# Altium PCB Shuttler_AFE.PcbDoc (part 4 of 5) (continued)
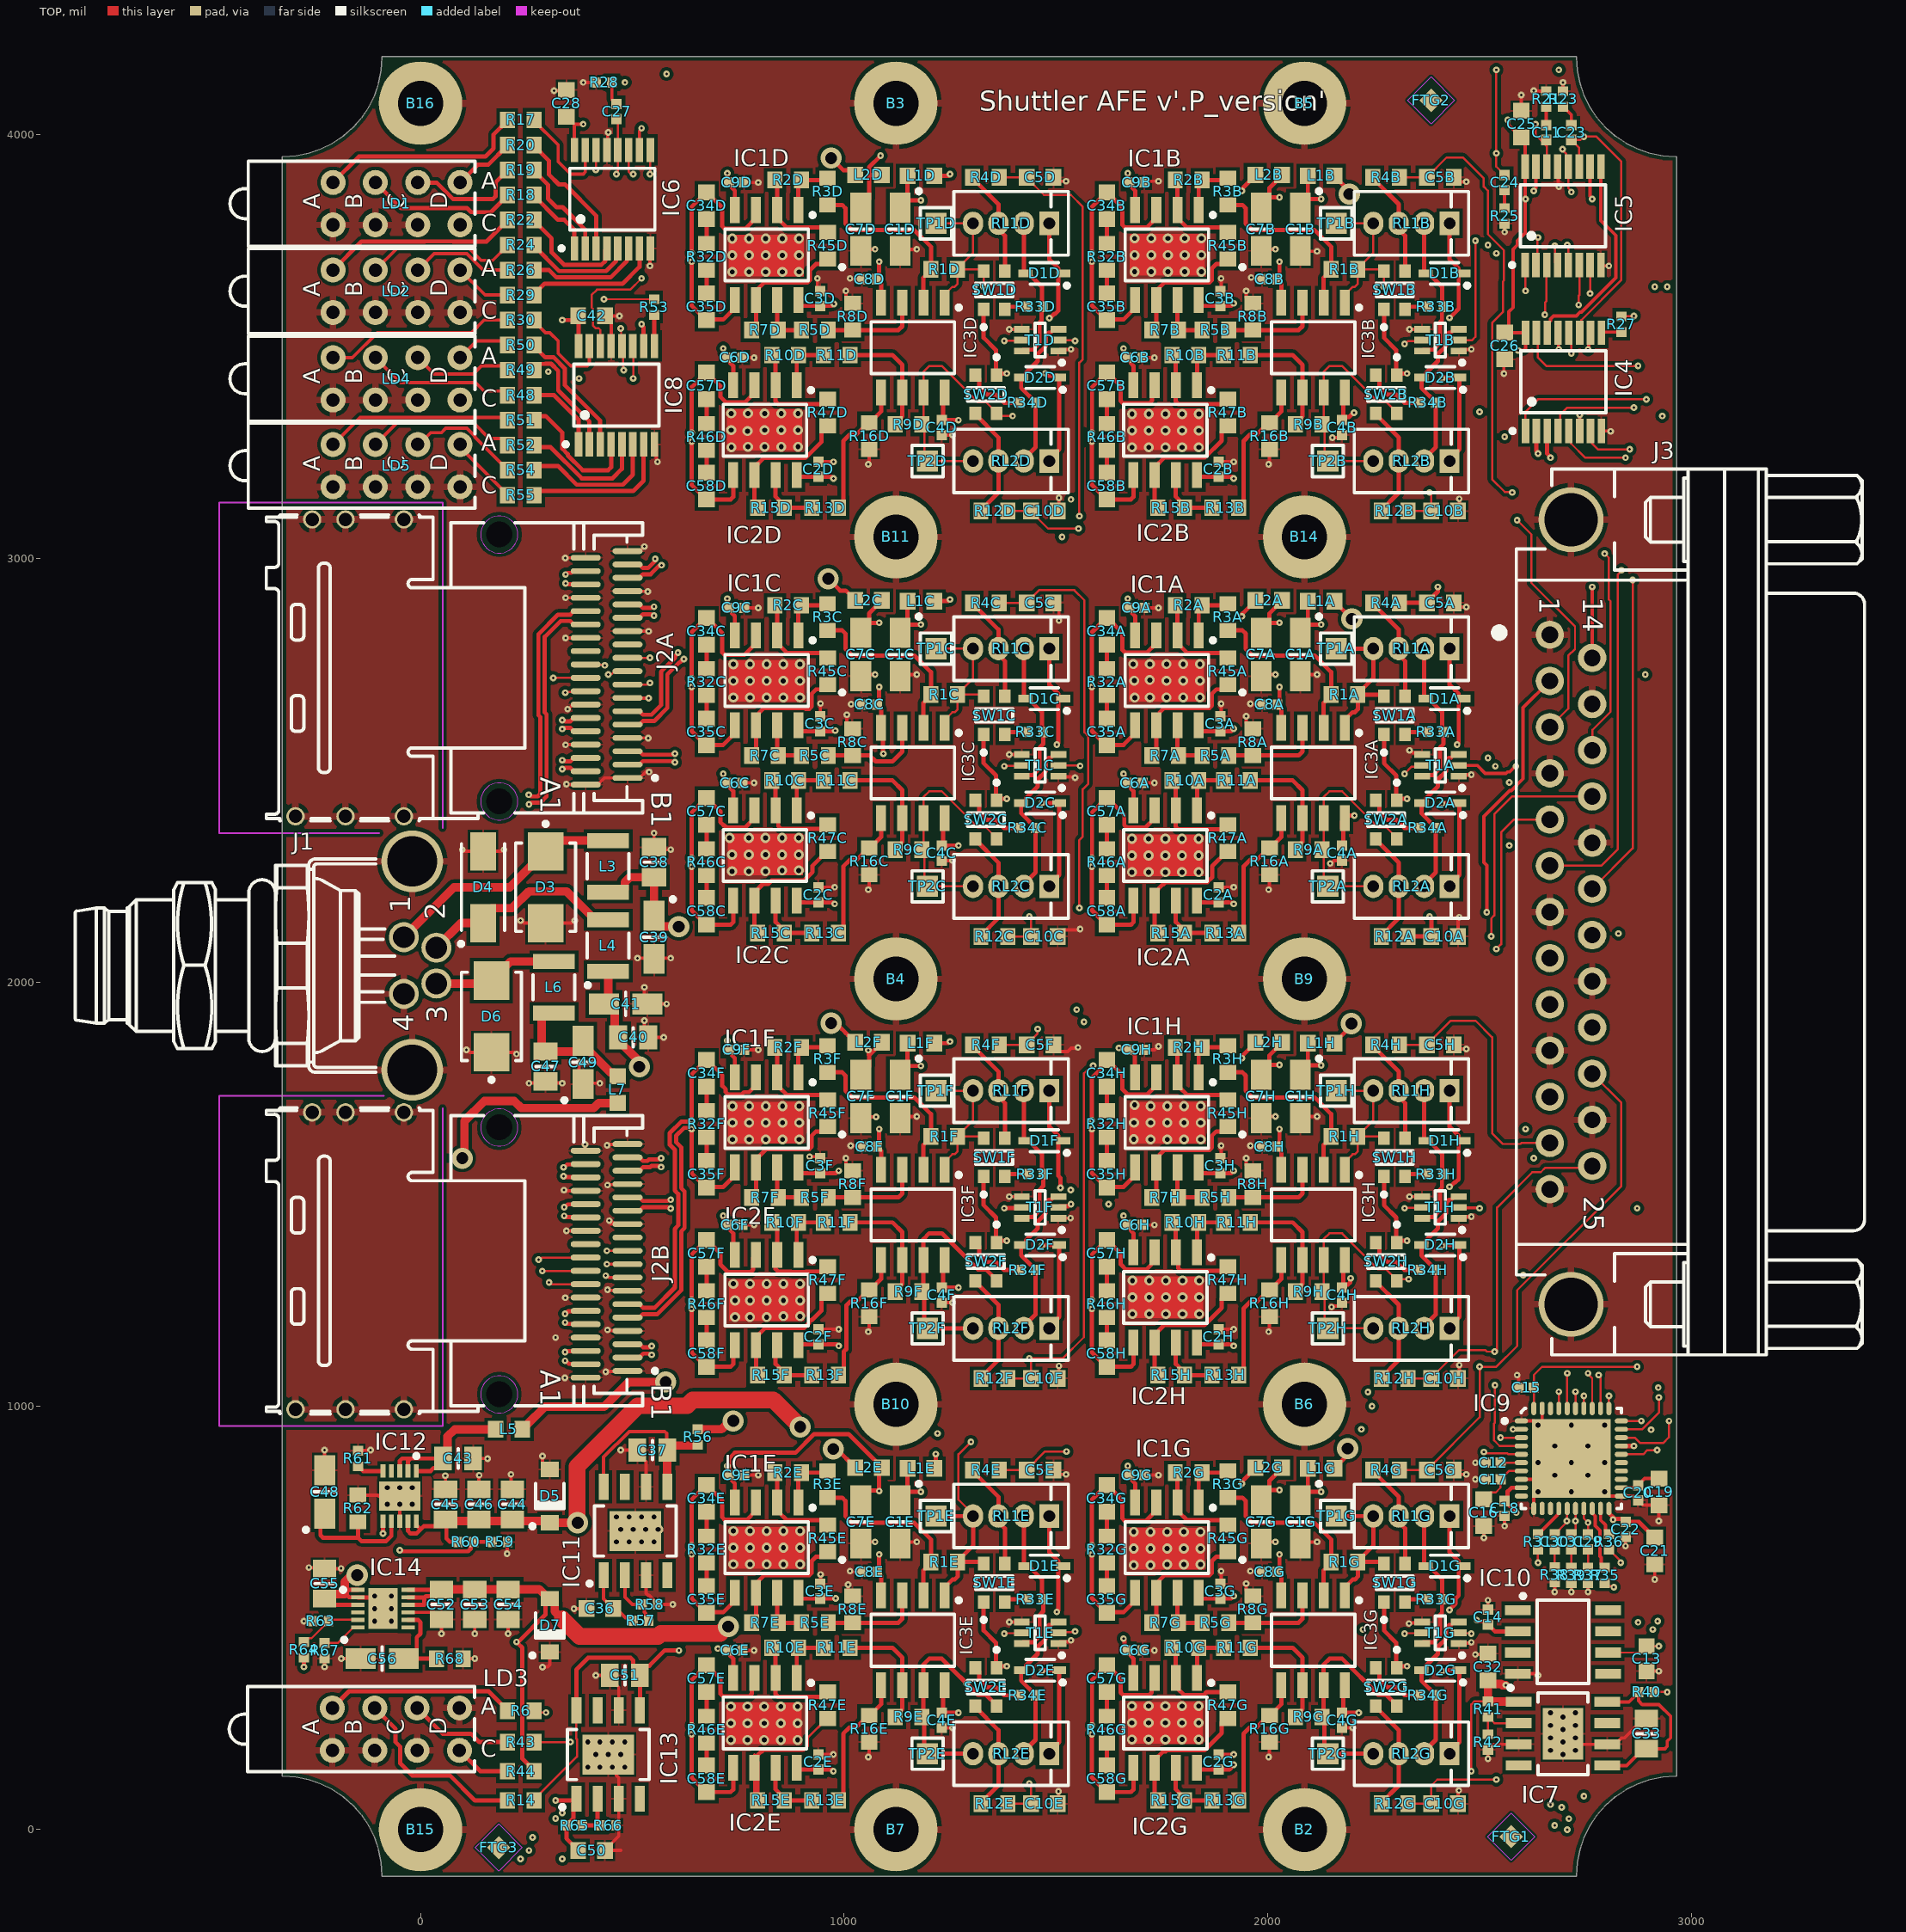
[diagram p0: TOP view]
## Nets (pads, with @x,y where several pads share a name; then routed paths per layer and width w, separated by ;. In a path a pad name is that pad's centre, name@x,y a point inside that pad or via, vN(x,y) a via of type N, cw(c..) or ccw(c..) an arc to the next point about the centre after c; other vN are vias at no path point) (continued)
NetIC1E_6: IC1E.6 R7E.1 R45E.1 | length 313.5
  TOP w10: R7E.1@781.49,488.19 791.92,498.62 IC1E.6@791.92,559.06 798.74,565.87 798.74,588.11 810.79,600.16 917.53,600.16 923.39,606.01 923.39,634.02 933.54,644.17 949.48,644.17 R45E.1@960.82,655.51
NetIC1E_7: IC1E.7 R5E.1 R7E.2 | length 127
  TOP w10: IC1E.7@841.92,559.06 841.92,490.75 R7E.2@844.48,488.19 R5E.1@899.6,488.19
NetIC1F_1: IC1F.1 R2F.2 R3F.1 | length 136.7
  TOP w10: IC1F.1@891.92,1775.59 891.92,1838.78 R2F.2@899.6,1846.46 956.69,1846.46 R3F.1@960.63,1850.39
NetIC1F_2: IC1F.2 R2F.1 R45F.2 | length 224.9
  TOP w10: R2F.1@836.61,1846.46 841.92,1841.14 IC1F.2@841.92,1775.59 846.46,1771.06 846.46,1752.36 864.56,1734.25 949.01,1734.25 R45F.2@960.82,1722.44
NetIC1F_6: IC1F.6 R7F.1 R45F.1 | length 310.1
  TOP w10: R7F.1@781.49,1492.13 791.92,1502.56 791.92,1581.69 816.54,1606.31 917.53,1606.31 923.39,1612.17 923.39,1637.95 933.54,1648.11 949.48,1648.11 R45F.1@960.82,1659.45
NetIC1F_7: IC1F.7 R5F.1 R7F.2 | length 127
  TOP w10: IC1F.7@841.92,1562.99 841.92,1494.68 R7F.2@844.48,1492.13 R5F.1@899.6,1492.13
NetIC1G_1: IC1G.1 R2G.2 R3G.1 | length 136.7
  TOP w10: IC1G.1@1836.81,771.65 1836.81,834.84 R2G.2@1844.48,842.52 1901.57,842.52 R3G.1@1905.51,846.46
NetIC1G_2: IC1G.2 R2G.1 R45G.2 | length 224.9
  TOP w10: R2G.1@1781.49,842.52 1786.81,837.2 IC1G.2@1786.81,771.65 1791.34,767.12 1791.34,748.42 1809.44,730.31 1893.89,730.31 R45G.2@1905.7,718.5
NetIC1G_6: IC1G.6 R7G.1 R45G.1 | length 313.5
  TOP w10: R7G.1@1726.37,488.19 1736.81,498.62 IC1G.6@1736.81,559.06 1743.62,565.87 1743.62,588.11 1755.67,600.16 1862.41,600.16 1868.27,606.01 1868.27,634.02 1878.43,644.17 1894.36,644.17 R45G.1@1905.7,655.51
NetIC1G_7: IC1G.7 R5G.1 R7G.2 | length 127
  TOP w10: IC1G.7@1786.81,559.06 1786.81,490.75 R7G.2@1789.36,488.19 R5G.1@1844.48,488.19
NetIC1H_1: IC1H.1 R2H.2 R3H.1 | length 136.7
  TOP w10: IC1H.1@1836.81,1775.59 1836.81,1838.78 R2H.2@1844.48,1846.46 1901.57,1846.46 R3H.1@1905.51,1850.39
NetIC1H_2: IC1H.2 R2H.1 R45H.2 | length 224.9
  TOP w10: R2H.1@1781.49,1846.46 1786.81,1841.14 IC1H.2@1786.81,1775.59 1791.34,1771.06 1791.34,1752.36 1809.44,1734.25 1893.89,1734.25 R45H.2@1905.7,1722.44
NetIC1H_6: IC1H.6 R7H.1 R45H.1 | length 313.5
  TOP w10: R7H.1@1726.37,1492.13 1736.81,1502.56 IC1H.6@1736.81,1562.99 1743.62,1569.8 1743.62,1592.04 1755.67,1604.09 1862.41,1604.09 1868.27,1609.95 1868.27,1637.95 1878.43,1648.11 1894.36,1648.11 R45H.1@1905.7,1659.45
NetIC1H_7: IC1H.7 R5H.1 R7H.2 | length 127
  TOP w10: IC1H.7@1786.81,1562.99 1786.81,1494.68 R7H.2@1789.36,1492.13 R5H.1@1844.48,1492.13
NetIC2A_1: IC2A.1 R10A.2 R11A.1 | length 131.5
  TOP w10: IC2A.1@1832.87,2405.51 1832.87,2472.64 R10A.2@1836.61,2476.38 R11A.1@1895.66,2476.38
NetIC2A_2: IC2A.2 R10A.1 R47A.2 | length 243.4
  TOP w10: R10A.1@1773.62,2476.38 1782.87,2467.13 IC2A.2@1782.87,2405.51 1782.87,2366.69 1788.73,2360.83 1894.49,2360.83 R47A.2@1905.7,2372.05
NetIC2A_6: IC2A.6 R15A.1 R47A.1 | length 320.3
  TOP w10: R15A.1@1738.18,2122.05 1732.87,2127.36 IC2A.6@1732.87,2192.91 1732.87,2211.61 1752.69,2231.43 1754.35,2231.43 1759.35,2236.43 1857.32,2236.43 1868.68,2247.79 1868.68,2274 1903.73,2309.06 R47A.1@1905.7,2309.06
NetIC2A_7: IC2A.7 R13A.1 R15A.2 | length 143.4
  TOP w10: IC2A.7@1782.87,2192.91 1782.87,2142.32 1801.18,2124.02 R15A.2@1801.18,2122.05 ; R15A.2@1803.15,2116.14 R13A.1@1868.11,2116.14
NetIC2B_1: IC2B.1 R10B.2 R11B.1 | length 131.5
  TOP w10: IC2B.1@1832.87,3409.45 1832.87,3476.57 R10B.2@1836.61,3480.32 R11B.1@1895.66,3480.32
NetIC2B_2: IC2B.2 R10B.1 R47B.2 | length 243.4
  TOP w10: R10B.1@1773.62,3480.32 1782.87,3471.06 IC2B.2@1782.87,3409.45 1782.87,3370.63 1788.73,3364.77 1894.49,3364.77 R47B.2@1905.7,3375.98
NetIC2B_6: IC2B.6 R15B.1 R47B.1 | length 317.9
  TOP w10: R15B.1@1738.18,3125.98 1732.87,3131.3 IC2B.6@1732.87,3196.85 1732.87,3215.55 1755.75,3238.43 1851.35,3238.43 1891.02,3278.1 1891.02,3300.28 1903.73,3312.99 R47B.1@1905.7,3312.99
NetIC2B_7: IC2B.7 R13B.1 R15B.2 | length 143.4
  TOP w10: IC2B.7@1782.87,3196.85 1782.87,3146.26 1801.18,3127.95 R15B.2@1801.18,3125.98 ; R15B.2@1803.15,3120.08 R13B.1@1868.11,3120.08
NetIC2C_1: IC2C.1 R10C.2 R11C.1 | length 131.5
  TOP w10: IC2C.1@887.99,2405.51 887.99,2472.64 R10C.2@891.73,2476.38 R11C.1@950.78,2476.38
NetIC2C_2: IC2C.2 R10C.1 R47C.2 | length 237.4
  TOP w10: R10C.1@828.74,2476.38 837.99,2467.13 IC2C.2@837.99,2405.51 844.36,2399.14 844.36,2368.35 850.22,2362.49 951.26,2362.49 R47C.2@960.82,2372.05
NetIC2C_6: IC2C.6 R15C.1 R47C.1 | length 313.7
  TOP w10: R15C.1@793.3,2122.05 787.99,2127.36 IC2C.6@787.99,2192.91 787.99,2211.61 808.5,2232.13 820.74,2232.13 828.65,2240.04 904.82,2240.04 925.2,2260.42 925.2,2275.4 958.85,2309.06 R47C.1@960.82,2309.06
NetIC2C_7: IC2C.7 R13C.1 R15C.2 | length 143.4
  TOP w10: IC2C.7@837.99,2192.91 837.99,2142.32 856.3,2124.02 R15C.2@856.3,2122.05 ; R15C.2@858.27,2116.14 R13C.1@923.23,2116.14
NetIC2D_1: IC2D.1 R10D.2 R11D.1 | length 131.5
  TOP w10: IC2D.1@887.99,3409.45 887.99,3476.57 R10D.2@891.73,3480.32 R11D.1@950.78,3480.32
NetIC2D_2: IC2D.2 R10D.1 R47D.2 | length 243.4
  TOP w10: R10D.1@828.74,3480.32 837.99,3471.06 IC2D.2@837.99,3409.45 837.99,3370.63 843.85,3364.77 949.6,3364.77 R47D.2@960.82,3375.98
NetIC2D_6: IC2D.6 R15D.1 R47D.1 | length 319.6
  TOP w10: R15D.1@793.3,3125.98 787.99,3131.3 IC2D.6@787.99,3196.85 787.99,3215.55 809.8,3237.36 908.28,3237.36 946.13,3275.22 946.13,3300.28 958.85,3312.99 R47D.1@960.82,3312.99
NetIC2D_7: IC2D.7 R13D.1 R15D.2 | length 143.4
  TOP w10: IC2D.7@837.99,3196.85 837.99,3146.26 856.3,3127.95 R15D.2@856.3,3125.98 ; R15D.2@858.27,3120.08 R13D.1@923.23,3120.08
NetIC2E_1: IC2E.1 R10E.2 R11E.1 | length 131.5
  TOP w10: IC2E.1@887.99,358.27 887.99,425.39 R10E.2@891.73,429.13 R11E.1@950.78,429.13
NetIC2E_2: IC2E.2 R10E.1 R47E.2 | length 243.4
  TOP w10: R10E.1@828.74,429.13 837.99,419.88 IC2E.2@837.99,358.27 837.99,319.44 843.85,313.59 949.6,313.59 R47E.2@960.82,324.8
NetIC2E_6: IC2E.6 R15E.1 R47E.1 | length 425.9
  TOP w6: IC2E.6@787.99,145.67 787.99,76.19 R15E.1@795.28,68.9 ; IC2E.6@787.99,167.91 787.99,177.75 ; 806.26,184.88 807.56,186.18 903.09,186.18 913.86,196.95 913.86,216.82 R47E.1@958.85,261.81
  TOP w10: IC2E.6@787.99,145.67 787.99,167.91 791.53,167.91 794.8,171.18 794.8,174.72 804.96,184.88 806.26,184.88 ; R15E.1@795.28,68.9 IC2E.6@795.28,159.42
NetIC2E_7: IC2E.7 R13E.1 R15E.2 | length 143.4
  TOP w10: IC2E.7@837.99,145.67 837.99,95.08 856.3,76.77 R15E.2@856.3,74.8 ; R15E.2@858.27,68.9 R13E.1@923.23,68.9
NetIC2F_1: IC2F.1 R10F.2 R11F.1 | length 131.5
  TOP w10: IC2F.1@887.99,1362.2 887.99,1429.33 R10F.2@891.73,1433.07 R11F.1@950.78,1433.07
NetIC2F_2: IC2F.2 R10F.1 R47F.2 | length 280.7
  TOP w10: R10F.1@828.74,1433.07 841.45,1420.35 841.45,1356.78 IC2F.2@841.93,1356.3 841.93,1337.6 IC2F.2@848.74,1330.79 ; IC2F.2@837.99,1362.2 837.99,1323.38 843.85,1317.52 874.24,1317.52 875.98,1315.79 907.88,1315.79 909.62,1317.52 949.6,1317.52 R47F.2@960.82,1328.74
NetIC2F_6: IC2F.6 R15F.1 R47F.1 | length 319.2
  TOP w10: IC2F.6@787.99,1143.7 798.74,1154.45 798.74,1169.26 813.69,1184.21 905.83,1184.21 916.77,1195.15 916.77,1197.45 922.62,1203.31 924.92,1203.31 946.13,1224.52 946.13,1253.03 958.85,1265.75 R47F.1@960.82,1265.75 ; IC2F.6@791.93,1143.7 791.93,1087.52 788.46,1084.06 787.99,1084.06 R15F.1@793.3,1078.74
NetIC2F_7: IC2F.7 R13F.1 R15F.2 | length 145
  TOP w10: IC2F.7@837.99,1143.7 IC2F.7@837.99,1149.61 ; IC2F.7@841.93,1143.7 837.99,1139.76 837.99,1099.02 856.3,1080.71 R15F.2@856.3,1078.74 ; R15F.2@858.27,1072.83 R13F.1@923.23,1072.83
NetIC2G_1: IC2G.1 R10G.2 R11G.1 | length 131.5
  TOP w10: IC2G.1@1832.87,358.27 1832.87,425.39 R10G.2@1836.61,429.13 R11G.1@1895.66,429.13
NetIC2G_2: IC2G.2 R10G.1 R47G.2 | length 229.6
  TOP w10: R10G.1@1773.62,429.13 1782.87,419.88 IC2G.2@1782.87,358.27 1789.68,351.46 1789.68,330.29 1802.22,317.76 1848.82,317.76 1855.5,324.43 1905.33,324.43 R47G.2@1905.7,324.8
NetIC2G_6: IC2G.6 R15G.1 R47G.1 | length 313.9
  TOP w10: R15G.1@1738.18,74.8 1732.87,80.12 IC2G.6@1732.87,145.67 1732.87,164.37 1753.38,184.88 1759.69,184.88 1761.81,187.01 1850.39,187.01 1891.02,227.63 1891.02,253.22 R47G.1@1899.61,261.81
NetIC2G_7: IC2G.7 R13G.1 R15G.2 | length 143.4
  TOP w10: IC2G.7@1782.87,145.67 1782.87,95.08 1801.18,76.77 R15G.2@1801.18,74.8 ; R15G.2@1803.15,68.9 R13G.1@1868.11,68.9
NetIC2H_1: IC2H.1 R10H.2 R11H.1 | length 131.5
  TOP w10: IC2H.1@1832.87,1362.2 1832.87,1429.33 R10H.2@1836.61,1433.07 R11H.1@1895.66,1433.07
NetIC2H_2: IC2H.2 R10H.1 R47H.2 | length 237.9
  TOP w10: R10H.1@1773.62,1433.07 1782.87,1423.82 IC2H.2@1782.87,1362.2 1788.96,1356.12 1788.96,1324.76 1794.81,1318.9 1895.86,1318.9 R47H.2@1905.7,1328.74
NetIC2H_6: IC2H.6 R15H.1 R47H.1 | length 319.6
  TOP w10: R15H.1@1738.18,1078.74 1732.87,1084.06 IC2H.6@1732.87,1149.61 1732.87,1168.31 1751.97,1187.41 1751.97,1190.94 1850.39,1190.94 1891.02,1231.57 1891.02,1253.03 1903.73,1265.75 R47H.1@1905.7,1265.75
NetIC2H_7: IC2H.7 R13H.1 R15H.2 | length 143.4
  TOP w10: IC2H.7@1782.87,1149.61 1782.87,1099.02 1801.18,1080.71 R15H.2@1801.18,1078.74 ; R15H.2@1803.15,1072.83 R13H.1@1868.11,1072.83
NetIC3A_2: IC3A.2 R1A.1 R3A.2 | length 445.2
  TOP w10: R3A.2@1905.51,2830.71 1940.2,2830.71 1947.85,2823.06 1947.85,2787.02 1963.41,2771.46 2110.43,2771.46 2149.61,2732.28 R1A.1@2149.61,2679.13 2149.61,2677.17 2131.89,2659.45 IC3A.2@2131.89,2600.39
NetIC3A_3: IC3A.3 R5A.2 R8A.2 | length 234.1
  TOP w10: R5A.2@1907.47,2535.43 R8A.2@1964.76,2535.43 2072.83,2535.43 2081.89,2544.49 IC3A.3@2081.89,2600.39
NetIC3A_5: IC3A.5 R13A.2 R16A.2 | length 324.9
  TOP w10: R13A.2@1931.1,2116.14 1942.83,2127.87 1942.83,2273.54 1958.17,2288.88 1973.92,2288.88 2001.97,2316.93 R16A.2@2003.94,2316.93 2005.91,2316.93 2031.89,2342.91 IC3A.5@2031.89,2387.8
NetIC3A_6: IC3A.6 R9A.1 R11A.2 | length 280.3
  TOP w10: R11A.2@1958.66,2476.38 2059.06,2476.38 2081.89,2453.54 IC3A.6@2081.89,2387.8 2081.89,2331.89 2064.96,2314.96 R9A.1@2064.96,2312.99
NetIC3B_2: IC3B.2 R1B.1 R3B.2 | length 445.2
  TOP w10: R3B.2@1905.51,3834.65 1940.2,3834.65 1947.85,3826.99 1947.85,3790.96 1963.41,3775.4 2110.43,3775.4 2149.61,3736.22 R1B.1@2149.61,3683.07 2149.61,3681.1 2131.89,3663.39 IC3B.2@2131.89,3604.33
NetIC3B_3: IC3B.3 R5B.2 R8B.2 | length 234.1
  TOP w10: R5B.2@1907.47,3539.37 R8B.2@1964.76,3539.37 2072.83,3539.37 2081.89,3548.43 IC3B.3@2081.89,3604.33
NetIC3B_5: IC3B.5 R13B.2 R16B.2 | length 324.9
  TOP w10: R13B.2@1931.1,3120.08 1942.83,3131.81 1942.83,3277.48 1958.17,3292.81 1973.92,3292.81 2001.97,3320.87 R16B.2@2003.94,3320.87 2005.91,3320.87 2031.89,3346.85 IC3B.5@2031.89,3391.73
NetIC3B_6: IC3B.6 R9B.1 R11B.2 | length 280.3
  TOP w10: R11B.2@1958.66,3480.32 2059.06,3480.32 2081.89,3457.48 IC3B.6@2081.89,3391.73 2081.89,3335.83 2064.96,3318.9 R9B.1@2064.96,3316.93
NetIC3C_2: IC3C.2 R1C.1 R3C.2 | length 445.2
  TOP w10: R3C.2@960.63,2830.71 995.32,2830.71 1002.97,2823.06 1002.97,2787.02 1018.53,2771.46 1165.54,2771.46 1204.72,2732.28 R1C.1@1204.72,2679.13 1204.72,2677.17 1187.01,2659.45 IC3C.2@1187.01,2600.39
NetIC3C_3: IC3C.3 R5C.2 R8C.2 | length 245.6
  TOP w10: R5C.2@962.59,2535.43 1060.27,2535.43 1074.21,2521.5 1114.02,2521.5 1137.01,2544.49 IC3C.3@1137.01,2600.39
NetIC3C_5: IC3C.5 R13C.2 R16C.2 | length 324.9
  TOP w10: R13C.2@986.22,2116.14 997.95,2127.87 997.95,2273.54 1013.29,2288.88 1029.04,2288.88 1057.09,2316.93 R16C.2@1059.06,2316.93 1061.02,2316.93 1087.01,2342.91 IC3C.5@1087.01,2387.8
NetIC3C_6: IC3C.6 R9C.1 R11C.2 | length 280.3
  TOP w10: R11C.2@1013.77,2476.38 1114.17,2476.38 1137.01,2453.54 IC3C.6@1137.01,2387.8 1137.01,2331.89 1120.08,2314.96 R9C.1@1120.08,2312.99
NetIC3D_2: IC3D.2 R1D.1 R3D.2 | length 445.2
  TOP w10: R3D.2@960.63,3834.65 995.32,3834.65 1002.97,3826.99 1002.97,3790.96 1018.53,3775.4 1165.54,3775.4 1204.72,3736.22 R1D.1@1204.72,3683.07 1204.72,3681.1 1187.01,3663.39 IC3D.2@1187.01,3604.33
NetIC3D_3: IC3D.3 R5D.2 R8D.2 | length 234.1
  TOP w10: R5D.2@962.59,3539.37 R8D.2@1019.87,3539.37 1127.95,3539.37 1137.01,3548.43 IC3D.3@1137.01,3604.33
NetIC3D_5: IC3D.5 R13D.2 R16D.2 | length 324.9
  TOP w10: R13D.2@986.22,3120.08 997.95,3131.81 997.95,3277.48 1013.29,3292.81 1029.04,3292.81 1057.09,3320.87 R16D.2@1059.06,3320.87 1061.02,3320.87 1087.01,3346.85 IC3D.5@1087.01,3391.73
NetIC3D_6: IC3D.6 R9D.1 R11D.2 | length 280.3
  TOP w10: R11D.2@1013.77,3480.32 1114.17,3480.32 1137.01,3457.48 IC3D.6@1137.01,3391.73 1137.01,3335.83 1120.08,3318.9 R9D.1@1120.08,3316.93
NetIC3E_2: IC3E.2 R1E.1 R3E.2 | length 445.2
  TOP w10: R3E.2@960.63,783.46 995.32,783.46 1002.97,775.81 1002.97,739.78 1018.53,724.22 1165.54,724.22 1204.72,685.04 R1E.1@1204.72,631.89 1204.72,629.92 1187.01,612.2 IC3E.2@1187.01,553.15
NetIC3E_3: IC3E.3 R5E.2 R8E.2 | length 234.1
  TOP w10: R5E.2@962.59,488.19 R8E.2@1019.87,488.19 1127.95,488.19 1137.01,497.24 IC3E.3@1137.01,553.15
NetIC3E_5: IC3E.5 R13E.2 R16E.2 | length 324.9
  TOP w10: R13E.2@986.22,68.9 997.95,80.63 997.95,226.3 1013.29,241.63 1029.04,241.63 1057.09,269.69 R16E.2@1059.06,269.69 1061.02,269.69 1087.01,295.67 IC3E.5@1087.01,340.55
NetIC3E_6: IC3E.6 R9E.1 R11E.2 | length 280.3
  TOP w10: R11E.2@1013.77,429.13 1114.17,429.13 1137.01,406.3 IC3E.6@1137.01,340.55 1137.01,284.65 1120.08,267.72 R9E.1@1120.08,265.75
NetIC3F_2: IC3F.2 R1F.1 R3F.2 | length 445.2
  TOP w10: R3F.2@960.63,1787.4 995.32,1787.4 1002.97,1779.75 1002.97,1743.72 1018.53,1728.16 1165.54,1728.16 1204.72,1688.98 R1F.1@1204.72,1635.83 1204.72,1633.86 1187.01,1616.14 IC3F.2@1187.01,1557.09
NetIC3F_3: IC3F.3 R5F.2 R8F.2 | length 234.1
  TOP w10: R5F.2@962.59,1492.13 R8F.2@1019.87,1492.13 1127.95,1492.13 1137.01,1501.18 IC3F.3@1137.01,1557.09
NetIC3F_5: IC3F.5 R13F.2 R16F.2 | length 324.9
  TOP w10: R13F.2@986.22,1072.83 998.94,1085.55 998.94,1128.11 1005.16,1134.33 1005.16,1237.44 1013.29,1245.57 1029.04,1245.57 1057.09,1273.62 R16F.2@1059.06,1273.62 1061.02,1273.62 1087.01,1299.61 IC3F.5@1087.01,1344.49
NetIC3F_6: IC3F.6 R9F.1 R11F.2 | length 280.3
  TOP w10: R11F.2@1013.77,1433.07 1114.17,1433.07 1137.01,1410.24 IC3F.6@1137.01,1344.49 1137.01,1288.58 1120.08,1271.65 R9F.1@1120.08,1269.69
NetIC3G_2: IC3G.2 R1G.1 R3G.2 | length 445.2
  TOP w10: R3G.2@1905.51,783.46 1940.2,783.46 1947.85,775.81 1947.85,739.78 1963.41,724.22 2110.43,724.22 2149.61,685.04 R1G.1@2149.61,631.89 2149.61,629.92 2131.89,612.2 IC3G.2@2131.89,553.15
NetIC3G_3: IC3G.3 R5G.2 R8G.2 | length 234.1
  TOP w10: R5G.2@1907.47,488.19 R8G.2@1964.76,488.19 2072.83,488.19 2081.89,497.24 IC3G.3@2081.89,553.15
NetIC3G_5: IC3G.5 R13G.2 R16G.2 | length 324.9
  TOP w10: R13G.2@1931.1,68.9 1942.83,80.63 1942.83,226.3 1958.17,241.63 1973.92,241.63 2001.97,269.69 R16G.2@2003.94,269.69 2005.91,269.69 2031.89,295.67 IC3G.5@2031.89,340.55
NetIC3G_6: IC3G.6 R9G.1 R11G.2 | length 280.3
  TOP w10: R11G.2@1958.66,429.13 2059.06,429.13 2081.89,406.3 IC3G.6@2081.89,340.55 2081.89,284.65 2064.96,267.72 R9G.1@2064.96,265.75
NetIC3H_2: IC3H.2 R1H.1 R3H.2 | length 445.2
  TOP w10: R3H.2@1905.51,1787.4 1940.2,1787.4 1947.85,1779.75 1947.85,1743.72 1963.41,1728.16 2110.43,1728.16 2149.61,1688.98 R1H.1@2149.61,1635.83 2149.61,1633.86 2131.89,1616.14 IC3H.2@2131.89,1557.09
NetIC3H_3: IC3H.3 R5H.2 R8H.2 | length 234.1
  TOP w10: R5H.2@1907.47,1492.13 R8H.2@1964.76,1492.13 2072.83,1492.13 2081.89,1501.18 IC3H.3@2081.89,1557.09
NetIC3H_5: IC3H.5 R13H.2 R16H.2 | length 324.9
  TOP w10: R13H.2@1931.1,1072.83 1942.83,1084.57 1942.83,1230.24 1958.17,1245.57 1973.92,1245.57 2001.97,1273.62 R16H.2@2003.94,1273.62 2005.91,1273.62 2031.89,1299.61 IC3H.5@2031.89,1344.49
NetIC3H_6: IC3H.6 R9H.1 R11H.2 | length 280.3
  TOP w10: R11H.2@1958.66,1433.07 2059.06,1433.07 2081.89,1410.24 IC3H.6@2081.89,1344.49 2081.89,1288.58 2064.96,1271.65 R9H.1@2064.96,1269.69
NetIC4_9: IC4.9 R27.2 | length 47.7
  TOP w7.87: IC4.9@2787.4,3533.46 2788.58,3534.65 R27.2@2834.65,3534.65
NetIC4_14: IC4.14 IC5.9 | length 507.2
  TOP w7.87: IC4.14@2659.45,3533.46 2659.45,3553.15 2667.24,3560.94 2667.24,3565.71 2674.37,3572.83 2727.86,3572.83 2736.92,3581.9 2740.78,3581.9 2821.77,3662.89 2821.77,3762.87 2786.42,3798.23 IC5.9@2786.42,3925.2
NetIC6_9: IC6.9 IC8.14 | length 578.8
  TOP w5: IC8.14@424.21,3501.97 424.21,3539.6 419.6,3544.21 412.64,3544.21 407.4,3549.45 407.4,3588.66 403.54,3592.52 403.54,3622.05 416.3,3634.8 495.04,3634.8 v1(521.65,3661.42) ; v1(541.34,3907.48) 541.83,3907.97 541.83,3964.07 IC6.9@542.32,3964.57
  L2 w5: v1(521.65,3661.42) 521.65,3887.8 v1(541.34,3907.48)
NetIC7_2: IC7.2 R41.1 R42.2 | length 119.3
  TOP w5: R42.2@2519.69,225.2 R41.1@2519.69,265.75 2520.47,265.75 2534.84,251.38 IC7.2@2592.52,251.38
NetIC8_9: IC8.9 R53.2 | length 73.6
  TOP w10: R53.2@551.18,3575.2 551.67,3574.7 551.67,3502.46 IC8.9@552.17,3501.97
NetIC9_14: IC9.14 R31.1 | length 81.1
  TOP w7.87: R31.1@2637.8,697.64 2638.58,697.64 2682.17,741.22 2682.17,742.12 2687.01,746.97 IC9.14@2687.01,757.87
NetIC9_18: IC9.18 R35.1 | length 151.7
  TOP w7.87: IC9.18@2765.75,757.87 2765.75,746.97 2772.72,740 2772.72,725.47 2772.72,717.09 2783.98,705.83 2783.98,645.51 2787.01,642.48 2787.01,626.38 2794.49,618.9 R35.1@2795.28,618.9
NetIC9_19: IC9.19 R36.1 | length 68.9
  TOP w7.87: IC9.19@2785.43,757.87 2785.59,757.72 2785.59,730.16 2796.85,718.9 2796.85,705.12 2804.33,697.64 R36.1@2805.12,697.64
NetIC11_2: IC11.2 R57.1 R58.2 | length 158.7
  TOP w7.87: IC11.2@482.28,600.39 482.28,548.82 499.61,531.5 509.96,531.5 ; R58.2@522.83,531.5 509.96,531.5 ; R57.1@538.64,493.25 531.16,500.73 531.16,510.3 528.69,512.77 528.69,523.23 527.25,524.67 516.79,524.67 516.79,530.06 515.35,531.5 509.96,531.5
NetIC12_5: IC12.5 R61.2 | length 63.6
  TOP w10: R61.2@-147.64,857.48 -146.85,857.48 -135.83,846.46 IC12.5@-88.58,846.46
NetIC12_6: IC12.6 R59.2 R60.1 | length 317.3
  TOP w10: v1(-88.58,698.82) IC12.6@-88.58,728.35 ; v1@-49.21,656.93 112.25,656.93 118.11,662.79 118.11,670.87 125.59,678.35 R60.1@125.59,679.13 R59.2@168.5,679.13
  L2 w10: v1(-88.58,698.82) v1(-49.21,659.45)
NetIC13_2: IC13.2 R65.1 R66.2 | length 108.6
  TOP w10: R65.1@381.5,9.84 R66.2@424.41,9.84 424.41,10.63 417.91,17.13 IC13.2@417.91,72.83
NetIC14_5: IC14.5 R63.2 R64.2 | length 149.6
  TOP w5: R64.2@-275.59,442.91 -266.67,451.83 -257.22,451.83 -213.98,495.08 IC14.5@-147.64,495.08
NetIC14_6: IC14.6 R67.2 | length 94
  TOP w5: R67.2@-226.38,440.55 -195.28,440.55 -158.46,477.36 IC14.6@-147.64,477.36
NetLD1_2: LD1.2 R17.2 | length 492.9
  TOP w10: LD1.2@-206.69,3887.8 -145.52,3948.96 152.94,3948.96 172.47,3968.5 172.47,4001.21 204.72,4033.46 R17.2@204.72,4035.43
NetLD1_4: LD1.4 R18.2 | length 358.4
  TOP w10: LD1.4@-106.69,3887.8 -46.22,3827.32 109.68,3827.32 119.28,3817.72 166.15,3817.72 204.72,3856.3 R18.2@204.72,3858.27
NetLD1_6: LD1.6 R19.2 | length 276.7
  TOP w10: LD1.6@-6.69,3887.8 -6.26,3887.37 37.83,3887.37 76.93,3848.27 170.35,3848.27 177.01,3854.92 177.01,3887.64 204.72,3915.35 R19.2@204.72,3917.32
NetLD1_8: LD1.8 R20.2 | length 149.3
  TOP w10: LD1.8@93.31,3887.8 134.95,3929.44 159.75,3929.44 204.72,3974.41 R20.2@204.72,3976.38
NetLD2_2: LD2.2 R22.2 | length 461.9
  TOP w10: LD2.2@-206.69,3681.1 -139.53,3748.27 9.68,3748.27 10.17,3748.76 76.44,3748.76 76.93,3748.27 155.75,3748.27 204.72,3797.24 R22.2@204.72,3799.21
NetLD2_4: LD2.4 R24.2 | length 360.6
  TOP w7.87: LD2.4@-106.69,3681.1 -55.35,3732.44 114.57,3732.44 142.96,3704.05 170.58,3704.05 204.72,3738.19 R24.2@204.72,3740.16
NetLD2_6: LD2.6 R26.2 | length 243.3
  TOP w7.87: LD2.6@-6.69,3681.1 31.77,3719.57 109.24,3719.57 147.7,3681.1 R26.2@204.72,3681.1
NetLD2_8: LD2.8 R29.2 | length 135.9
  TOP w7.87: LD2.8@93.31,3681.1 152.36,3622.05 R29.2@204.72,3622.05
NetLD3_2: LD3.2 R6.2 | length 449.6
  TOP w10: LD3.2@-208.27,287.01 -168.74,326.54 160.67,326.54 204.72,282.48 R6.2@204.72,280.51
NetLD3_4: LD3.4 R14.2 | length 444.6
  TOP w10: LD3.4@-108.27,287.01 -59.06,237.8 -59.06,206.69 -47.8,195.43 -47.8,156.06 -19.69,127.95 68.9,127.95 127.95,68.9 R14.2@204.72,68.9
NetLD3_6: LD3.6 R43.2 | length 246.3
  TOP w10: LD3.6@-8.27,287.01 52.2,226.54 118.82,226.54 138.66,206.69 R43.2@204.72,206.69
NetLD3_7: LD3.7 R44.2 | length 133.4
  TOP w10: LD3.7@91.73,187.01 140.94,137.8 R44.2@204.72,137.8
NetLD4_2: LD4.2 R30.2 | length 448.1
  TOP w7.87: LD4.2@-206.69,3474.41 -161.09,3474.41 -102.03,3533.46 120.08,3533.46 149.61,3562.99 R30.2@204.72,3562.99
NetLD4_4: LD4.4 R48.2 | length 348.1
  TOP w7.87: LD4.4@-106.69,3474.41 -47.64,3415.35 129.92,3415.35 149.61,3395.67 194.88,3395.67 R48.2@204.72,3385.83
NetLD4_6: LD4.6 R49.2 | length 239.2
  TOP w7.87: LD4.6@-6.69,3474.41 31.77,3435.94 124.77,3435.94 143.55,3454.72 194.88,3454.72 R49.2@204.72,3444.88
NetLD4_8: LD4.8 R50.2 | length 131.8
  TOP w7.87: LD4.8@93.31,3474.41 132.68,3513.78 194.88,3513.78 R50.2@204.72,3503.94
NetLD5_2: LD5.2 R51.2 | length 440.8
  TOP w7.87: LD5.2@-206.69,3269.29 -142.48,3333.5 197.99,3333.5 R51.2@204.72,3326.77
NetLD5_4: LD5.4 R52.2 | length 355.8
  TOP w7.87: LD5.4@-106.69,3269.29 -55.35,3320.63 125.02,3320.63 162.18,3283.46 190.94,3283.46 204.72,3269.69 R52.2@204.72,3267.72
NetLD5_6: LD5.6 R54.2 | length 270.5
  TOP w7.87: LD5.6@-6.69,3269.29 -4.14,3269.29 23.82,3297.24 49.21,3297.24 59.72,3307.76 109.24,3307.76 128.77,3288.22 128.77,3286.58 204.72,3210.63 R54.2@204.72,3208.66
NetLD5_8: LD5.8 R55.2 | length 165.8
  TOP w7.87: LD5.8@93.31,3269.29 93.31,3262.99 204.72,3151.57 R55.2@204.72,3149.61
NetR4A_1: R4A.1 RL1A.3 SW1A.3 | length 252
  TOP w10: R4A.1@2248.03,2895.67 2248.03,2893.7 2309.06,2832.68 RL1A.3@2309.06,2787.4 2309.06,2773.39 2324.21,2758.23 SW1A.3@2324.21,2675.2
NetR4B_1: R4B.1 RL1B.3 SW1B.3 | length 252
  TOP w10: R4B.1@2248.03,3899.61 2248.03,3897.64 2309.06,3836.61 RL1B.3@2309.06,3791.34 2309.06,3777.32 2324.21,3762.17 SW1B.3@2324.21,3679.13
NetR4C_1: R4C.1 RL1C.3 SW1C.3 | length 252
  TOP w10: R4C.1@1303.15,2895.67 1303.15,2893.7 1364.17,2832.68 RL1C.3@1364.17,2787.4 1364.17,2773.39 1379.33,2758.23 SW1C.3@1379.33,2675.2
NetR4D_1: R4D.1 RL1D.3 SW1D.3 | length 252
  TOP w10: R4D.1@1303.15,3899.61 1303.15,3897.64 1364.17,3836.61 RL1D.3@1364.17,3791.34 1364.17,3777.32 1379.33,3762.17 SW1D.3@1379.33,3679.13
NetR4E_1: R4E.1 RL1E.3 SW1E.3 | length 252
  TOP w10: R4E.1@1303.15,848.43 1303.15,846.46 1364.17,785.43 RL1E.3@1364.17,740.16 1364.17,726.14 1379.33,710.98 SW1E.3@1379.33,627.95
NetR4F_1: R4F.1 RL1F.3 SW1F.3 | length 252
  TOP w10: R4F.1@1303.15,1852.36 1303.15,1850.39 1364.17,1789.37 RL1F.3@1364.17,1744.09 1364.17,1730.08 1379.33,1714.92 SW1F.3@1379.33,1631.89
NetR4G_1: R4G.1 RL1G.3 SW1G.3 | length 252
  TOP w10: R4G.1@2248.03,848.43 2248.03,846.46 2309.06,785.43 RL1G.3@2309.06,740.16 2309.06,726.14 2324.21,710.98 SW1G.3@2324.21,627.95
NetR4H_1: R4H.1 RL1H.3 SW1H.3 | length 252
  TOP w10: R4H.1@2248.03,1852.36 2248.03,1850.39 2309.06,1789.37 RL1H.3@2309.06,1744.09 2309.06,1730.08 2324.21,1714.92 SW1H.3@2324.21,1631.89
NetR12A_1: R12A.1 RL2A.3 SW2A.3 | length 270
  TOP w10: SW2A.3@2254.53,2338.58 2254.53,2336.61 2309.06,2282.09 RL2A.3@2309.06,2226.38 2309.06,2151.57 2267.72,2110.24 R12A.1@2267.72,2108.27
NetR12B_1: R12B.1 RL2B.3 SW2B.3 | length 270
  TOP w10: SW2B.3@2254.53,3342.52 2254.53,3340.55 2309.06,3286.02 RL2B.3@2309.06,3230.31 2309.06,3155.51 2267.72,3114.17 R12B.1@2267.72,3112.2
NetR12C_1: R12C.1 RL2C.3 SW2C.3 | length 270
  TOP w10: SW2C.3@1309.65,2338.58 1309.65,2336.61 1364.17,2282.09 RL2C.3@1364.17,2226.38 1364.17,2151.57 1322.83,2110.24 R12C.1@1322.83,2108.27
NetR12D_1: R12D.1 RL2D.3 SW2D.3 | length 270
  TOP w10: SW2D.3@1309.65,3342.52 1309.65,3340.55 1364.17,3286.02 RL2D.3@1364.17,3230.31 1364.17,3155.51 1322.83,3114.17 R12D.1@1322.83,3112.2
NetR12E_1: R12E.1 RL2E.3 SW2E.3 | length 270
  TOP w10: SW2E.3@1309.65,291.34 1309.65,289.37 1364.17,234.84 RL2E.3@1364.17,179.13 1364.17,104.33 1322.83,62.99 R12E.1@1322.83,61.02
NetR12F_1: R12F.1 RL2F.3 SW2F.3 | length 270
  TOP w10: SW2F.3@1309.65,1295.28 1309.65,1293.31 1364.17,1238.78 RL2F.3@1364.17,1183.07 1364.17,1108.27 1322.83,1066.93 R12F.1@1322.83,1064.96
NetR12G_1: R12G.1 RL2G.3 SW2G.3 | length 270
  TOP w10: SW2G.3@2254.53,291.34 2254.53,289.37 2309.06,234.84 RL2G.3@2309.06,179.13 2309.06,104.33 2267.72,62.99 R12G.1@2267.72,61.02
NetR12H_1: R12H.1 RL2H.3 SW2H.3 | length 270
  TOP w10: SW2H.3@2254.53,1295.28 2254.53,1293.31 2309.06,1238.78 RL2H.3@2309.06,1183.07 2309.06,1108.27 2267.72,1066.93 R12H.1@2267.72,1064.96
NetR33A_2: R33A.2 SW1A.2 | length 56.2
  TOP w10: SW1A.2@2324.21,2584.65 2330.12,2590.55 R33A.2@2377.95,2590.55
NetR33B_2: R33B.2 SW1B.2 | length 56.2
  TOP w10: SW1B.2@2324.21,3588.58 2330.12,3594.49 R33B.2@2377.95,3594.49
NetR33C_2: R33C.2 SW1C.2 | length 56.2
  TOP w10: SW1C.2@1379.33,2584.65 1385.24,2590.55 R33C.2@1433.07,2590.55
NetR33D_2: R33D.2 SW1D.2 | length 56.2
  TOP w10: SW1D.2@1379.33,3588.58 1385.24,3594.49 R33D.2@1433.07,3594.49
NetR33E_2: R33E.2 SW1E.2 | length 56.2
  TOP w10: SW1E.2@1379.33,537.4 1385.24,543.31 R33E.2@1433.07,543.31
NetR33F_2: R33F.2 SW1F.2 | length 56.2
  TOP w10: SW1F.2@1379.33,1541.34 1385.24,1547.24 R33F.2@1433.07,1547.24
NetR33G_2: R33G.2 SW1G.2 | length 56.2
  TOP w10: SW1G.2@2324.21,537.4 2330.12,543.31 R33G.2@2377.95,543.31
NetR33H_2: R33H.2 SW1H.2 | length 56.2
  TOP w10: SW1H.2@2324.21,1541.34 2330.12,1547.24 R33H.2@2377.95,1547.24
NetR34A_2: R34A.2 SW2A.2 | length 142.6
  TOP w10: SW2A.2@2254.53,2429.13 2263.31,2420.35 2263.31,2402.05 2282.24,2383.11 2303.67,2383.11 2322.61,2364.17 R34A.2@2359.45,2364.17
NetR34B_2: R34B.2 SW2B.2 | length 142.6
  TOP w10: SW2B.2@2254.53,3433.07 2263.31,3424.29 2263.31,3405.98 2282.24,3387.05 2303.67,3387.05 2322.61,3368.11 R34B.2@2359.45,3368.11
NetR34C_2: R34C.2 SW2C.2 | length 142.6
  TOP w10: SW2C.2@1309.65,2429.13 1318.43,2420.35 1318.43,2402.05 1337.36,2383.11 1358.79,2383.11 1377.72,2364.17 R34C.2@1414.57,2364.17
NetR34D_2: R34D.2 SW2D.2 | length 142.6
  TOP w10: SW2D.2@1309.65,3433.07 1318.43,3424.29 1318.43,3405.98 1337.36,3387.05 1358.79,3387.05 1377.72,3368.11 R34D.2@1414.57,3368.11
NetR34E_2: R34E.2 SW2E.2 | length 142.6
  TOP w10: SW2E.2@1309.65,381.89 1318.43,373.11 1318.43,354.8 1337.36,335.87 1358.79,335.87 1377.72,316.93 R34E.2@1414.57,316.93
NetR34F_2: R34F.2 SW2F.2 | length 142.6
  TOP w10: SW2F.2@1309.65,1385.83 1318.43,1377.05 1318.43,1358.74 1337.36,1339.8 1358.79,1339.8 1377.72,1320.87 R34F.2@1414.57,1320.87
NetR34G_2: R34G.2 SW2G.2 | length 142.6
  TOP w10: SW2G.2@2254.53,381.89 2263.31,373.11 2263.31,354.8 2282.24,335.87 2303.67,335.87 2322.61,316.93 R34G.2@2359.45,316.93
NetR34H_2: R34H.2 SW2H.2 | length 142.6
  TOP w10: SW2H.2@2254.53,1385.83 2263.31,1377.05 2263.31,1358.74 2282.24,1339.8 2303.67,1339.8 2322.61,1320.87 R34H.2@2359.45,1320.87
OUT_CH0: C5A.2 J3.14 R4A.2 | length 644.5
  TOP w7.87: J3.14@2765.75,2765.75 v1(2765.75,2933.07)
  TOP w10: R4A.2@2311.02,2895.67 C5A.2@2375.98,2895.67 2375.98,2896.65 2401.57,2922.24 v1(2401.57,2933.07)
  L3 w7.87: v1(2401.57,2933.07) v1(2765.75,2933.07)
OUT_CH1: C10A.2 J3.2 R12A.2 | length 863
  TOP w7.87: v1(2516.81,2165.35) 2516.81,2276.14 2509.84,2283.11 2509.84,2391.76 2570.61,2452.52 2574.72,2452.52 2602.52,2480.32 2602.52,2647.99 J3.2@2665.75,2711.22
  TOP w10: R12A.2@2330.71,2108.27 C10A.2@2385.83,2108.27 2385.83,2151.57 v1(2381.89,2155.51)
  L3 w7.87: v1(2381.89,2155.51) 2396.89,2170.51 2509.52,2170.51 2514.68,2165.35 v1(2516.81,2165.35)
OUT_CH2: C5B.2 J3.3 R4B.2 | length 1681.4
  TOP w5: R4B.2@2311.02,3899.61 C5B.2@2375.98,3899.61 2375.98,3900.59 2422.24,3946.85 2460.63,3946.85 2509.84,3897.64 2509.84,3877.95 2519.69,3868.11 2519.69,3765.44 2557.24,3727.88 2557.24,3656.03 2554.96,3653.75 2554.96,3581.9 2529.37,3556.31 2529.37,3187.32 2559.49,3157.2 2575.83,3157.2 v1(2576.93,3156.1) ; v1(2588.58,3090.55) 2622.27,3056.87 2622.27,2942.91 2725.17,2840.01 2725.17,2786.64 2709.21,2770.68 2709.21,2645.63 J3.3@2665.75,2602.17
  L3 w5: v1(2576.93,3156.1) 2576.93,3154.55 2575.48,3153.1 2575.48,3142.3 2582.35,3135.43 2582.35,3098.34 2587.82,3092.87 v1@2587.82,3091.32
OUT_CH3: C10B.2 J3.16 R12B.2 | length 1069.6
  TOP w5: R12B.2@2330.71,3112.2 C10B.2@2385.83,3112.2 2385.83,3150.61 2381.89,3154.55 v1(2381.89,3156.1) ; J3.16@2765.75,2547.64 2766.63,2548.52 2766.63,2596.1 2809.21,2638.69 2809.21,2899.45 2805.12,2903.54 2805.12,3001.97 v1(2795.28,3011.81)
  L3 w5: v1(2381.89,3156.1) 2437.36,3156.1 2440.23,3158.98 2480.79,3158.98 2634.61,3005.16 2751.69,3005.16 2758.34,3011.81 v1(2795.28,3011.81)